# Altium PCB LC BigOne.PcbDoc (part 2 of 3)
Units mm, origin at the board's own origin, x right, y up, seen from the top; angles counter-clockwise.
Board outline 218 x 105 mm, 2 copper layers (Top Layer, Bottom Layer); 239 components, 249 nets, 1148 pads, 92 vias.
Unrouted connection lines stored in the file: 2.
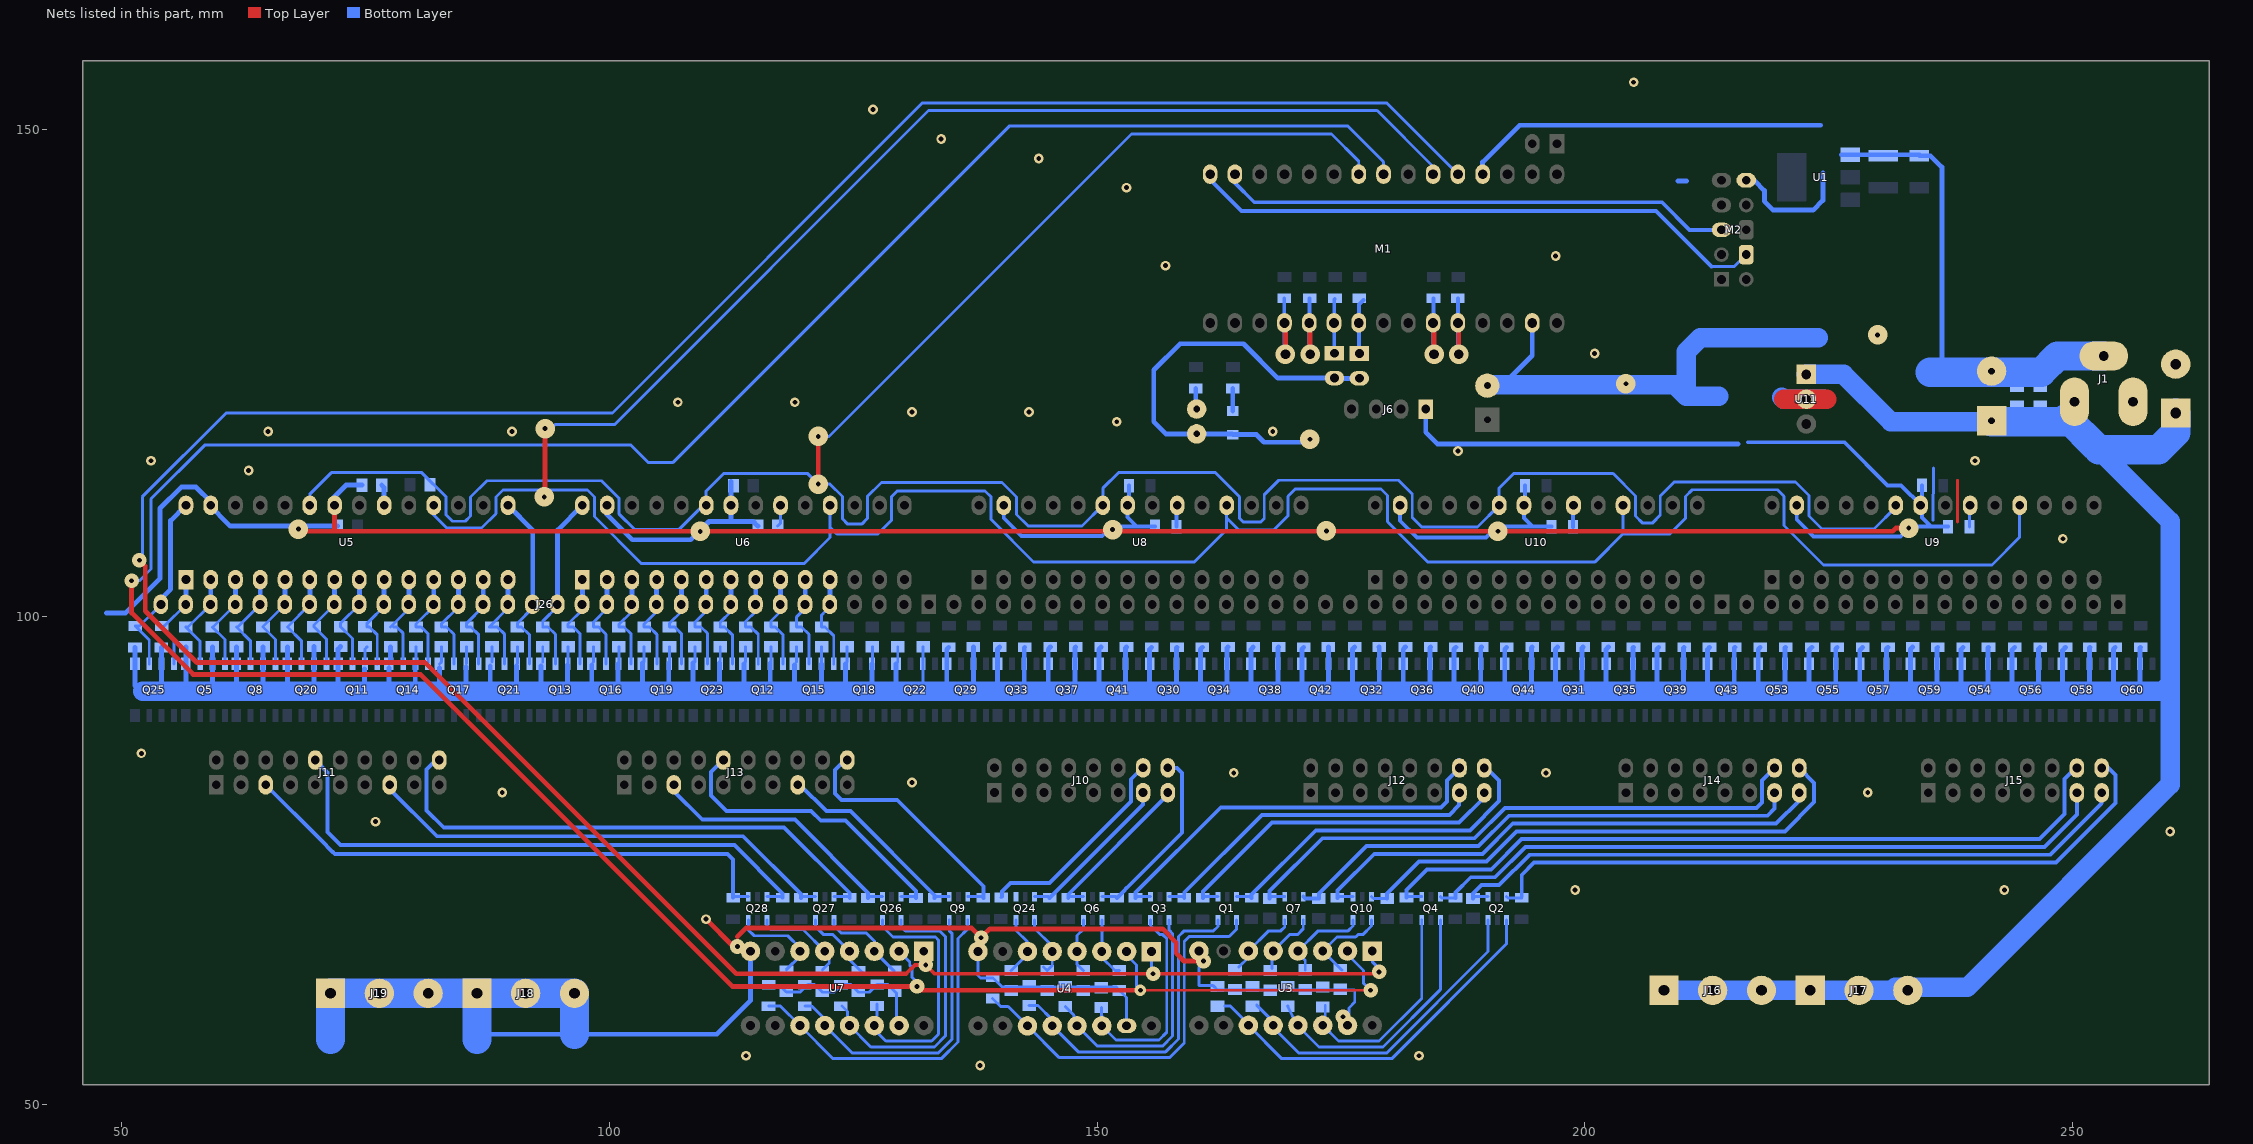
[diagram p2: the nets of this part, all layers, seen from the top]

## Via types
v1: diameter 1, hole 0.5, Top Layer to Bottom Layer, 35 vias
v2: diameter 2, hole 0.5, Top Layer to Bottom Layer, 25 vias
v3: diameter 1.5, hole 0.5, Top Layer to Bottom Layer, 22 vias
v4: diameter 6, hole 3, Top Layer to Bottom Layer, 4 vias
v5: diameter 2, hole 1, Top Layer to Bottom Layer, 4 vias
v6: diameter 1, hole 0.5, Top Layer to Bottom Layer, tented top, 1 vias
v7: diameter 1.2, hole 0.5, Top Layer to Bottom Layer, 1 vias

## Nets (pads, with @x,y where several pads share a name; then routed paths per layer and width w, separated by ;. In a path a pad name is that pad's centre, name@x,y a point inside that pad or via, vN(x,y) a via of type N, cw(c..) or ccw(c..) an arc to the next point about the centre after c; other vN are vias at no path point) (continued)
+12v: C2.1 C12.1 C18.1 J1.VCC J2.1 J16.1 J16.2 J16.3 J17.1 J17.2 J17.3 Q5.1 Q5.3 Q8.1 Q8.3 Q11.1 Q11.3 Q12.1 Q12.3 Q13.1 Q13.3 Q14.1 Q14.3 Q15.1 Q15.3 Q16.1 Q16.3 Q17.1 Q17.3 Q18.1 Q18.3 Q19.1 Q19.3 Q20.1 Q20.3 Q21.1 Q21.3 Q22.1 Q22.3 Q23.1 Q23.3 Q25.1 Q25.3 Q29.1 Q29.3 Q30.1 Q30.3 Q31.1 Q31.3 Q32.1 Q32.3 Q33.1 Q33.3 Q34.1 Q34.3 Q35.1 Q35.3 Q36.1 Q36.3 Q37.1 Q37.3 Q38.1 Q38.3 Q39.1 Q39.3 Q40.1 Q40.3 Q41.1 Q41.3 Q42.1 Q42.3 Q43.1 Q43.3 Q44.1 Q44.3 Q53.1 Q53.3 Q54.1 Q54.3 Q55.1 Q55.3 Q56.1 Q56.3 Q57.1 Q57.3 Q58.1 Q58.3 Q59.1 Q59.3 Q60.1 Q60.3 R8.2 R10.2 R14.2 R17.2 R20.2 R21.2 R22.2 R23.2 R24.2 R25.2 R26.2 R27.2 R28.2 R29.2 R30.2 R31.2 R32.2 R33.2 R34.2 R35.2 R36.2 R37.2 R38.2 R39.2 R40.2 R41.2 R42.2 R43.2 R44.2 R45.2 R73.2 R74.2 R99.2 R100.2 R101.2 R102.2 R103.2 R104.2 R105.2 R106.2 R107.2 R108.2 R109.2 R110.2 R111.2 R112.2 R113.2 R114.2 R115.2 R116.2 R117.2 R118.2 R119.2 R120.2 R121.2 R122.2 R123.2 R124.2 R125.2 R126.2 R127.2 R128.2 R129.2 R130.2 R147.2 R148.2 R149.2 R150.2 R151.2 R152.2 R153.2 R154.2 R155.2 R156.2 R157.2 R158.2 R159.2 R160.2 R161.2 R162.2 U11.1 | length 715.8
  Bottom Layer w0.3: Q11.3@74.915,95.175 74.915,96.699 R23.2@75.15,96.934 ; Q14.1@77.375,95.175 Q14.1@77.55,95.35 ; Q14.3@80.115,95.175 80.15,95.21 R29.2@80.15,96.934 ; Q17.1@82.575,95.175 82.75,95.35 R32.2@82.75,96.934 ; Q17.3@85.35,95.21 R35.2@85.35,96.934 ; Q21.1@87.95,95.35 R39.2@87.95,96.934 ; Q21.3@90.55,95.21 R43.2@90.55,96.934 ; Q13.1@93.15,95.35 R22.2@93.15,96.934 ; Q13.3@95.715,95.175 95.75,95.21 R25.2@95.75,96.934 ; Q16.1@98.35,95.35 R28.2@98.35,96.934 ; Q16.3@100.95,95.21 R31.2@100.95,96.934 ; Q19.1@103.55,95.35 R34.2@103.55,96.934 ; Q19.3@106.15,95.21 R37.2@106.15,96.934 ; Q23.1@108.75,95.35 R41.2@108.75,96.934 ; Q23.3@111.35,95.21 R45.2@111.35,96.934 ; Q12.1@113.95,95.35 R21.2@113.95,96.934 ; Q12.3@116.55,95.21 R24.2@116.55,96.934 ; Q15.1@119.15,95.35 R27.2@119.15,96.934 ; Q15.3@121.75,95.21 R30.2@121.75,96.934 ; Q18.1@124.35,95.35 R33.2@124.35,96.934 ; Q18.3@126.95,95.21 R36.2@126.95,96.934 ; Q22.1@129.55,95.35 R40.2@129.55,96.934 ; 132.1,92.375 132.115,92.39 Q22.3@132.115,95.175 ; Q22.3@132.15,95.21 R44.2@132.15,96.934
  Bottom Layer w0.5: R73.2@51.35,96.85 51.34,96.84 Q25.1@51.34,95.175 51.34,92.96 51.785,92.515 52,92.515 ; R74.2@54.05,96.85 54.05,95.205 Q25.3@54.08,95.175 54.08,92.395 54.1,92.375 ; R8.2@56.55,96.925 56.56,96.915 Q5.1@56.56,95.175 56.56,92.415 56.6,92.375 ; R10.2@59.275,96.925 59.275,92.4 59.3,92.375 ; 61.7,92.375 61.75,92.425 R14.2@61.75,96.925 ; 64.3,92.375 64.475,92.55 Q8.3@64.475,95.175 R17.2@64.475,96.925 ; 66.9,92.375 66.975,92.45 R38.2@66.975,96.925 ; 69.7,92.375 R42.2@69.7,96.95 ; 72.1,92.375 72.175,92.45 Q11.1@72.175,95.175 72.175,96.7 R20.2@72.425,96.95 ; 74.875,91.915 74.875,92.375 Q11.3@74.875,94.675 ; 77.375,92.015 77.375,92.375 Q14.1@77.375,94.775 ; Q14.1@77.55,95.35 R26.2@77.55,96.934 ; 80.075,92.215 80.075,92.375 Q14.3@80.075,94.975 ; 82.575,92.015 82.575,92.375 Q17.1@82.575,94.775 ; 85.275,92.115 85.275,92.375 Q17.3@85.275,94.875 ; 87.775,92.215 87.775,92.375 Q21.1@87.775,94.975 ; 90.475,92.215 90.475,92.375 Q21.3@90.475,94.975 ; 92.975,92.215 92.975,92.375 Q13.1@92.975,94.975 ; 95.675,92.315 95.675,92.375 Q13.3@95.675,95.075 ; 98.175,92.315 98.175,92.375 Q16.1@98.175,95.075 ; 100.875,92.415 Q16.3@100.875,95.175 ; 103.375,92.515 Q19.1@103.375,95.175 Q19.1@103.375,95.275 ; 106.075,92.515 Q19.3@106.075,95.275 ; 108.575,92.515 Q23.1@108.575,95.175 Q23.1@108.575,95.275 ; 111.275,92.515 Q23.3@111.275,95.275 ; 113.775,92.415 Q12.1@113.775,95.175 ; 116.475,92.515 Q12.3@116.475,95.275 ; 118.975,92.315 118.975,92.375 Q15.1@118.975,95.075 ; 121.715,92.515 Q15.3@121.715,95.175 ; 124.175,92.475 Q18.1@124.175,95.175 ; 126.915,92.535 Q18.3@126.915,95.175 ; 129.375,92.375 Q22.1@129.375,95.175 ; 134.6,92.375 134.575,92.4 Q29.1@134.575,95.175 134.575,96.675 R99.2@134.775,96.875 ; 137.2,92.375 137.315,92.49 Q29.3@137.315,95.175 137.315,96.885 R103.2@137.3,96.9 ; 140,92.375 139.775,92.6 Q33.1@139.775,95.175 139.775,96.675 R107.2@140,96.9 ; R111.2@142.575,96.875 142.515,96.815 Q33.3@142.515,95.175 142.515,92.46 142.6,92.375 ; 145,92.375 144.975,92.4 Q37.1@144.975,95.175 144.975,96.675 R115.2@145.2,96.9 ; 147.7,92.375 147.715,92.39 Q37.3@147.715,95.175 147.715,96.815 R119.2@147.8,96.9 ; 150.2,92.375 150.175,92.4 Q41.1@150.175,95.175 150.175,96.675 R123.2@150.4,96.9 ; 152.9,92.375 152.915,92.39 Q41.3@152.915,95.175 152.915,96.815 R127.2@153,96.9 ; 155.5,92.375 155.375,92.5 Q30.1@155.375,95.175 155.375,96.675 R100.2@155.575,96.875 ; R104.2@158.175,96.875 158.115,96.815 Q30.3@158.115,95.175 158.115,92.46 158.2,92.375 ; 160.5,92.375 160.575,92.45 Q34.1@160.575,95.175 160.575,96.675 R108.2@160.775,96.875 ; 163.2,92.375 163.315,92.49 Q34.3@163.315,95.175 163.315,96.815 R112.2@163.4,96.9 ; 165.7,92.375 165.775,92.45 Q38.1@165.775,95.175 165.775,96.675 R116.2@166,96.9 ; 168.6,92.375 168.515,92.46 Q38.3@168.515,95.175 168.515,96.815 R120.2@168.6,96.9 ; 171.1,92.375 170.975,92.5 Q42.1@170.975,95.175 170.975,96.675 R124.2@171.175,96.875 ; 173.7,92.375 173.715,92.39 Q42.3@173.715,95.175 173.715,96.885 R128.2@173.7,96.9 ; 176.2,92.375 176.175,92.4 Q32.1@176.175,95.175 176.175,96.675 R102.2@176.4,96.9 ; R106.2@178.9,96.9 178.915,96.885 Q32.3@178.915,95.175 178.915,92.46 179,92.375 ; 181.4,92.375 181.375,92.4 Q36.1@181.375,95.175 181.375,96.675 R110.2@181.6,96.9 ; 184.1,92.375 184.115,92.39 Q36.3@184.115,95.175 184.115,96.815 R114.2@184.2,96.9 ; 186.6,92.375 186.575,92.4 Q40.1@186.575,95.175 186.575,96.675 R118.2@186.775,96.875 ; 189.3,92.375 189.315,92.39 Q40.3@189.315,95.175 189.315,96.815 R122.2@189.4,96.9 ; 191.7,92.375 191.775,92.45 Q44.1@191.775,95.175 191.775,96.675 R126.2@191.975,96.875 ; 194.5,92.375 194.515,92.39 Q44.3@194.515,95.175 194.515,96.815 R130.2@194.6,96.9 ; 197,92.375 196.975,92.4 Q31.1@196.975,95.175 196.975,96.675 R101.2@197.2,96.9 ; 199.7,92.375 199.715,92.39 Q31.3@199.715,95.175 199.715,96.815 R105.2@199.8,96.9 ; 202.2,92.375 202.175,92.4 Q35.1@202.175,95.175 202.175,96.675 R109.2@202.4,96.9 ; 204.9,92.375 204.915,92.39 Q35.3@204.915,95.175 204.915,96.815 R113.2@204.975,96.875 ; 207.4,92.375 207.375,92.4 Q39.1@207.375,95.175 207.375,96.675 R117.2@207.575,96.875 ; 210.1,92.375 210.115,92.39 Q39.3@210.115,95.175 210.115,96.815 R121.2@210.175,96.875 ; 212.5,92.375 212.575,92.45 Q43.1@212.575,95.175 212.575,96.675 R125.2@212.775,96.875 ; R129.2@215.375,96.875 215.315,96.815 Q43.3@215.315,95.175 215.315,92.46 215.4,92.375 ; 217.9,92.375 217.775,92.5 Q53.1@217.775,95.175 217.775,96.675 R147.2@217.975,96.875 ; 220.5,92.375 220.515,92.39 Q53.3@220.515,95.175 220.515,96.815 R149.2@220.575,96.875 ; 222.8,92.375 222.975,92.55 Q55.1@222.975,95.175 222.975,96.575 R151.2@223.275,96.875 ; 225.7,92.375 225.715,92.39 Q55.3@225.715,95.175 225.715,96.715 R153.2@225.875,96.875 ; 228.1,92.375 228.175,92.45 Q57.1@228.175,95.175 228.175,96.575 R155.2@228.475,96.875 ; 230.9,92.375 230.915,92.39 Q57.3@230.915,95.175 230.915,96.715 R157.2@231.075,96.875 ; 233.4,92.375 233.375,92.4 Q59.1@233.375,95.175 233.375,96.675 R159.2@233.6,96.9 ; 236.1,92.375 236.115,92.39 Q59.3@236.115,95.175 236.115,96.815 R161.2@236.175,96.875 ; 238.6,92.375 238.575,92.4 Q54.1@238.575,95.175 238.575,96.675 R148.2@238.775,96.875 ; R150.2@241.375,96.875 241.315,96.815 Q54.3@241.315,95.175 241.315,92.46 241.4,92.375 ; 243.7,92.375 243.775,92.45 Q56.1@243.775,95.175 243.775,96.575 R152.2@244.075,96.875 ; 246.6,92.375 246.515,92.46 Q56.3@246.515,95.175 246.515,96.715 R154.2@246.675,96.875 ; 248.9,92.375 248.975,92.45 Q58.1@248.975,95.175 248.975,96.575 R156.2@249.275,96.875 ; 251.6,92.375 251.715,92.49 Q58.3@251.715,95.175 251.715,96.815 R158.2@251.775,96.875 ; 254.1,92.375 254.175,92.45 Q60.1@254.175,95.175 254.175,96.675 R160.2@254.375,96.875 ; R162.2@256.975,96.875 256.915,96.815 Q60.3@256.915,95.175 256.915,92.86 257.4,92.375
  Bottom Layer w2: 52.14,92.375 54.1,92.375 56.6,92.375 59.3,92.375 61.7,92.375 64.3,92.375 66.9,92.375 69.7,92.375 72.1,92.375 74.875,92.375 77.375,92.375 80.075,92.375 82.575,92.375 85.275,92.375 87.775,92.375 90.475,92.375 92.975,92.375 95.675,92.375 98.175,92.375 118.975,92.375 129.375,92.375 132.1,92.375 134.6,92.375 137.2,92.375 140,92.375 142.6,92.375 145,92.375 147.7,92.375 150.2,92.375 152.9,92.375 155.5,92.375 158.2,92.375 160.5,92.375 163.2,92.375 165.7,92.375 168.6,92.375 171.1,92.375 173.7,92.375 176.2,92.375 179,92.375 181.4,92.375 184.1,92.375 186.6,92.375 189.3,92.375 191.7,92.375 194.5,92.375 197,92.375 199.7,92.375 202.2,92.375 204.9,92.375 207.4,92.375 210.1,92.375 212.5,92.375 215.4,92.375 217.9,92.375 220.5,92.375 222.8,92.375 225.7,92.375 228.1,92.375 230.9,92.375 233.4,92.375 236.1,92.375 238.6,92.375 241.4,92.375 243.7,92.375 246.6,92.375 248.9,92.375 251.6,92.375 254.1,92.375 257.4,92.375 259.275,92.375 260,93.1 ; J16.1@208.1,61.7 J16.2@213.1,61.7 J16.3@218.1,61.7 J17.1@223.1,61.7 J17.2@228.1,61.7 J17.3@233.1,61.7 ; U11.1@222.702,124.846 226.533,124.846 231.379,120 C12.1@241.7,120 ; J17.3@231.8,62 239.2,62 260,82.8 260,93.1 ; 249,120 J1.VCC@249.3,120.3 ; 252.388,117.413 252.675,117.125 260,109.8 260,93.1
  Bottom Layer w3: C12.1@241.7,120 246.7,120 249,120 ; J1.VCC@249.3,120.3 249.5,120.3 252.388,117.413 ; 252.675,117.125 258.8,117.125 260.575,118.9 J2.1@260.575,120.9
A0: M1.A0 R3.1 | length 8.1
  Top Layer w0.5: v5(169.29,126.925) M1.A0@169.29,130.04
  Bottom Layer w0.4: v5@169.175,127.665 R3.1@169.175,132.65
A1: M1.A1 R4.1 | length 8.1
  Top Layer w0.5: v5(171.83,126.925) M1.A1@171.83,130.04
  Bottom Layer w0.4: v5@171.775,127.645 R4.1@171.775,132.65
A6: M1.A6 R5.1 | length 8.1
  Top Layer w0.5: v5(184.53,126.925) M1.A6@184.53,130.04
  Bottom Layer w0.4: v5@184.475,127.645 R5.1@184.475,132.65
A7: M1.A7 R6.1 | length 8.1
  Top Layer w0.5: v5(187.07,126.925) M1.A7@187.07,130.04
  Bottom Layer w0.4: M1.A7@186.975,130.535 R6.1@186.975,132.65 ; v5@187,127.63 M1.A7@187,130.51
BLANK: M1.D6 R76.2 U5.23 U6.23 U8.23 U9.23 U10.23 | length 289.2
  Top Layer w0.5: v2(121.4,113.6) v2(121.4,118.5)
  Bottom Layer w0.3: U5.23@69.27,111.435 69.27,112.57 71.475,114.775 80.75,114.775 83.25,112.275 83.25,110.45 83.9,109.8 85.2,109.8 85.75,110.35 85.75,112.275 87.425,113.95 99.182,113.95 100.95,112.182 100.95,110.575 102.55,108.975 107.15,108.975 109.61,111.435 U6.23@109.91,111.435 109.91,112.91 111.675,114.675 120.325,114.675 v2(121.4,113.6) 122.6,113.6 123.875,112.325 123.875,110.05 124.425,109.5 125.85,109.5 126.425,110.075 126.425,112.325 127.875,113.775 140.225,113.775 141.725,112.275 141.725,110.5 142.925,109.3 148.44,109.3 U8.23@150.575,111.435 150.575,113.175 152.2,114.8 162.1,114.8 164.6,112.3 164.6,110.1 165,109.7 166.75,109.7 167.125,110.075 167.125,112.525 168.6,114 180.9,114 182.3,112.6 182.3,110.175 183.275,109.2 188.975,109.2 U10.23@191.21,111.435 191.21,113.21 192.7,114.7 202.9,114.7 205.2,112.4 205.2,110.325 205.925,109.6 206.9,109.6 207.725,110.425 207.725,112.4 209.15,113.825 221.6,113.825 222.975,112.45 222.975,110.325 224.3,109 229.65,109 231.875,111.225 U9.23@231.875,111.435 ; v2(121.4,118.5) 122.5,118.5 153.5,149.5 174.025,149.5 176.815,146.71 M1.D6@176.815,145.375
"Bt 1": J15.16 Q2.3 R65.1 | length 72.4
  Bottom Layer w0.3: Q2.3@191.975,71.309 192.1,71.184 R65.1@193.525,71.184
  Bottom Layer w0.4: R65.1@193.525,71.3 193.525,73.525 194.8,74.8 248.3,74.8 254.4,80.9 254.4,83.8 253.7,84.5 J15.16@252.98,84.5
"Bt 2": J15.15 Q2.1 R47.1 | length 71.5
  Bottom Layer w0.3: R47.1@188.525,71.125 188.709,71.309 Q2.1@190.075,71.309
  Bottom Layer w0.4: R47.1@188.525,71.125 188.525,71.625 189.4,72.5 191.2,72.5 194.3,75.6 247.7,75.6 252.98,80.88 J15.15@252.98,81.96
"Bt 3": J15.13 Q4.3 R69.1 | length 71.4
  Bottom Layer w0.3: Q4.3@185.175,71.309 185.3,71.184 R69.1@186.725,71.184
  Bottom Layer w0.4: R69.1@186.725,71.184 186.725,71.725 188.3,73.3 190.8,73.3 193.9,76.4 247.1,76.4 250.44,79.74 J15.13@250.44,81.96
"Bt 4": J15.14 Q4.1 R67.1 | length 78.4
  Bottom Layer w0.3: R67.1@181.7,71.209 181.8,71.309 Q4.1@183.275,71.309
  Bottom Layer w0.4: R67.1@181.7,71.209 181.7,72 183.8,74.1 190.4,74.1 193.5,77.2 246.6,77.2 249.19,79.79 249.19,83.39 250.3,84.5 J15.14@250.44,84.5
"Bt 5": J14.16 Q10.3 R11.1 | length 54.6
  Bottom Layer w0.3: Q10.3@178.125,71.309 178.325,71.109 R11.1@179.725,71.109 ; J14.16@221.98,84.5 J14.16@222.6,84.5
  Bottom Layer w0.4: R11.1@179.725,71.109 179.725,71.625 183,74.9 189.9,74.9 193,78 220.5,78 223.5,81 223.5,82.98 J14.16@221.98,84.5
"Bt 6": J14.15 Q10.1 R9.1 | length 54.4
  Bottom Layer w0.3: R9.1@174.625,71.184 174.75,71.309 Q10.1@176.225,71.309
  Bottom Layer w0.4: R9.1@174.625,71.184 174.625,71.925 178.4,75.7 189.5,75.7 192.6,78.8 219.6,78.8 221.98,81.18 J14.15@221.98,81.96
"Bt 7": J14.13 Q7.3 R15.1 | length 54.1
  Bottom Layer w0.4: Q7.3@171.125,71.309 171.325,71.109 R15.1@172.725,71.109 172.725,71.625 177.6,76.5 189.1,76.5 192.2,79.6 218.7,79.6 219.44,80.34 J14.13@219.44,81.96
"Bt 8": J14.14 Q7.1 R13.1 | length 60.7
  Bottom Layer w0.3: R13.1@167.675,71.125 167.859,71.309 Q7.1@169.225,71.309
  Bottom Layer w0.4: R13.1@167.675,71.125 167.675,71.875 173.1,77.3 188.7,77.3 191.8,80.4 217.6,80.4 218.162,80.962 218.162,83.223 J14.14@219.44,84.5
"Bt 9": J12.16 Q1.3 R48.1 | length 35.4
  Bottom Layer w0.3: Q1.3@164.275,71.309 165.7,71.309 R48.1@165.825,71.184
  Bottom Layer w0.4: R48.1@165.825,71.184 165.825,71.525 172.4,78.1 188.2,78.1 191.2,81.1 191.2,83.2 189.9,84.5 J12.16@189.68,84.5
"Bt 10": J12.15 Q1.1 R46.1 | length 36.4
  Bottom Layer w0.3: R46.1@160.825,71.184 160.95,71.309 Q1.1@162.375,71.309
  Bottom Layer w0.4: R46.1@160.825,71.184 160.825,71.825 167.9,78.9 187.1,78.9 189.63,81.43 J12.15@189.63,82.775
"Bt 11": J12.13 Q3.3 R68.1 | length 36.1
  Bottom Layer w0.3: Q3.3@157.375,71.309 158.8,71.309 R68.1@158.925,71.184
  Bottom Layer w0.4: R68.1@158.925,71.184 158.925,71.725 166.9,79.7 186.1,79.7 187.09,80.69 J12.13@187.09,82.775
"Bt 12": J12.14 Q3.1 R66.1 | length 42
  Bottom Layer w0.3: R66.1@153.925,71.184 154.05,71.309 Q3.1@155.475,71.309
  Bottom Layer w0.4: R66.1@153.925,71.184 153.925,71.725 162.66,80.46 185.26,80.46 185.85,81.05 185.85,83.21 J12.14@187.14,84.5 ; J12.14@187.015,85.315 J12.14@187.09,85.315
"Bt 13": J10.16 Q6.3 R12.1 | length 18.9
  Bottom Layer w0.3: Q6.3@150.475,71.309 151.9,71.309 R12.1@152.025,71.184
  Bottom Layer w0.4: R12.1@152.025,71.184 152.725,71.884 152.725,71.891 153.018,72.184 153.025,72.184 158.7,77.859 158.7,84 158.185,84.515 J10.16@157.24,84.515
"Bt 14": J10.15 Q6.1 R70.1 | length 16.6
  Bottom Layer w0.3: R70.1@147.025,71.184 147.15,71.309 Q6.1@148.575,71.309
  Bottom Layer w0.4: R70.1@147.025,71.184 147.025,71.55 157.24,81.765 J10.15@157.24,81.975
"Bt 15": J10.13 Q24.3 R72.1 | length 16.4
  Bottom Layer w0.3: Q24.3@143.575,71.309 145,71.309 R72.1@145.125,71.184
  Bottom Layer w0.4: R72.1@145.125,71.184 145.825,71.884 145.825,71.891 146.118,72.184 146.125,72.184 154.7,80.759 J10.13@154.7,81.975
"Bt 16": J10.14 Q24.1 R71.1 | length 21.7
  Bottom Layer w0.3: R71.1@140.15,71.209 140.25,71.309 R71.1@140.249,71.31
  Bottom Layer w0.4: R71.1@140.249,71.31 140.245,71.845 141.1,72.7 145.1,72.7 153.45,81.05 153.45,83.35 154.615,84.515 J10.14@154.7,84.515
"Bt 17": J13.20 Q9.3 R79.1 | length 26.1
  Bottom Layer w0.3: Q9.3@136.725,71.309 138.2,71.309 R79.1@138.325,71.184
  Bottom Layer w0.4: J13.20@124.375,85.315 124.115,85.315 123.1,84.3 123.1,81.9 123.8,81.2 129.5,81.2 138.325,72.375 R79.1@138.325,71.184
"Bt 18": J13.15 Q9.1 R78.1 | length 20.5
  Bottom Layer w0.3: R78.1@133.325,71.184 133.45,71.309 Q9.1@134.825,71.309
  Bottom Layer w0.4: J13.15@119.295,82.775 119.525,82.775 122.225,80.075 124.7,80.075 133.325,71.45 R78.1@133.325,71.184
"Bt 19": J13.10 Q26.3 R81.1 | length 31.6
  Bottom Layer w0.3: Q26.3@129.875,71.309 131.291,71.309 R81.1@131.425,71.175
  Bottom Layer w0.4: J13.10@111.675,85.315 111.615,85.315 110.4,84.1 110.4,81.7 112,80.1 120.65,80.1 121.65,79.1 124.2,79.1 131.425,71.875 R81.1@131.425,71.175
"Bt 20": J13.5 Q26.1 R80.1 | length 26.9
  Bottom Layer w0.3: R80.1@126.5,71.175 126.634,71.309 Q26.1@127.975,71.309
  Bottom Layer w0.4: J13.5@106.595,82.775 106.595,82.105 109.5,79.2 119,79.2 126.5,71.7 R80.1@126.5,71.175
"Bt 21": J11.20 Q27.3 R83.1 | length 54.9
  Bottom Layer w0.3: Q27.3@123.025,71.309 124.5,71.309 R83.1@124.625,71.184
  Bottom Layer w0.4: J11.20@82.535,85.315 82.215,85.315 81.245,84.345 81.245,80.155 83,78.4 117.9,78.4 124.625,71.675 R83.1@124.625,71.184
"Bt 22": J11.15 Q27.1 R82.1 | length 49
  Bottom Layer w0.3: R82.1@119.625,71.184 119.75,71.309 Q27.1@121.125,71.309
  Bottom Layer w0.4: J11.15@77.455,82.775 77.455,82.345 82.3,77.5 113.7,77.5 119.625,71.575 R82.1@119.625,71.184
"Bt 23": J11.10 Q28.3 R93.1 | length 59.3
  Bottom Layer w0.3: Q28.3@116.125,71.309 117.641,71.309 R93.1@117.75,71.2
  Bottom Layer w0.4: J11.10@69.835,85.315 71.1,84.05 71.1,77.925 72.425,76.6 112.8,76.6 117.75,71.65 R93.1@117.75,71.2
"Bt 24": J11.5 Q28.1 R90.1 | length 56.6
  Bottom Layer w0.3: R90.1@112.675,71.2 112.784,71.309 Q28.1@114.225,71.309
  Bottom Layer w0.4: J11.5@64.755,82.775 70.4,77.13 70.4,77.11 71.61,75.9 71.63,75.9 71.83,75.7 112.1,75.7 112.675,75.125 R90.1@112.675,71.2
"Button 1": J8.1 M1.A3 R16.1 | length 5.1
  Bottom Layer w0.4: J8.1@176.84,127.61 176.84,132.04 R16.1@177.3,132.5
CLK165: M1.D5 U3.2 U4.2 U7.2 | length 316.7
  Top Layer w0.3: v3(131.525,62.109) v3@131.925,61.709 ; v7(154.425,61.709) v3(178.025,61.709)
  Top Layer w0.5: v3(51,103.7) 51,100.4 57.3,94.1 80.6,94.1 112.591,62.109 v3(131.525,62.109) ; v3@131.925,61.709 v7(154.425,61.709)
  Bottom Layer w0.3: v3(51,103.7) 51.8,103.7 53,104.9 53,112.1 58.5,117.6 102.2,117.6 104,115.8 106.475,115.8 140.975,150.3 175.7,150.3 179.355,146.645 M1.D5@179.355,145.375 ; U7.2@129.685,65.709 130.775,64.619 130.775,64.273 131.025,64.023 131.025,63.009 v3@131.525,62.509 ; v3@131.525,62.009 v3(131.525,62.109) ; U4.2@153.01,65.684 153.01,65.324 154.025,64.309 154.025,62.109 v7(154.425,61.709) ; U3.2@175.66,65.734 175.66,65.374 177.3,63.734 177.3,62.434 v3(178.025,61.709) 178.088,61.646 v3@178.525,61.646
"DBG Sw": J7.1 M1.A2 R7.1 | length 5.8
  Bottom Layer w0.4: J7.1@174.3,126.775 174.3,130.135 174.3,132.55 R7.1@174.35,132.6
GND: C1.2 C2.2 C5.GND C6.GND C7.2 C8.2 C9.2 C10.2 C11.2 C12.2 C18.2 D1.K D2.K J1.GND J2.2 J6.1 J7.2 J8.2 J18.1 J18.2 J18.3 J19.1 J19.2 J19.3 M1.GND M2.GND R49.1 R50.1 R51.1 R52.1 R53.1 R54.1 R55.1 R56.1 R57.1 R58.1 R59.1 R60.1 R61.1 R62.1 R63.1 R64.1 R75.2 R77.2 R84.1 R85.1 R86.1 R87.1 R88.1 R89.1 R91.1 R92.1 R95.2 R96.2 R98.2 U1.1 U3.8 U3.15 U4.8 U4.15 U5.22 U5.27 U6.22 U6.27 U7.8 U7.15 U8.22 U8.27 U9.22 U9.27 U10.22 U10.27 U11.2 | length 762.1
  Top Layer w0.3: 238.2,109.7 238.2,114
  Top Layer w0.5: v2@68.1,108.775 71.81,108.775 ; U5.22@71.81,111.435 71.81,108.775 ; v1(109.9,69) 112.7,66.2 v3(113.1,66.2) ; 113.1,67.2 114,68.1 137.1,68.1 v3(138.1,67.1) 139,68 156.7,68 158.1,66.6 158.1,65.5 158.9,64.7 v3(160.9,64.7) ; v2(233.2,109.1) 231.875,109.1 231.55,108.775 v2(191.075,108.775) 71.81,108.775
  Top Layer w2: 220.406,122.306 U11.2@222.702,122.306 224.806,122.306
  Bottom Layer w0.3: R84.1@116.6,62.2 117.459,62.2 R92.1@118.125,61.534 119.55,61.534 120.325,62.309 121.025,62.309 121.825,61.509 123.025,61.509 123.8,62.284 124.75,62.284 125.525,61.509 126.625,61.509 127.4,62.284 128.55,62.284 129.425,61.409 129.425,58.349 U7.15@129.685,58.089 ; U4.8@137.77,65.684 137.77,63.23 138.025,62.975 139.325,62.975 140.225,62.075 R62.1@146.725,62.075 151.893,62.075 R63.1@152.275,61.693 153.01,60.958 U4.15@153.01,58.064 ; 160.42,64.114 160.42,62.18 161.888,62.18 162.325,61.743 171.325,61.743 176.357,61.743 176.4,61.7 176.4,60.5 175.8,59.9 v3@175.8,59.234 ; U3.15@175.66,58.114 U3.15@175.66,58.799 ; 235.7,109.9 235.737,115.263
  Bottom Layer w0.4: U8.27@140.415,111.435 140.415,110.11 142.25,108.275 150.5,108.275 151.5,109.275 154.05,109.275 ; C10.2@153.25,113.45 153.25,111.57 U8.22@153.115,111.435 153.115,110.21 154.05,109.275 ; R95.2@155.925,109.275 154.05,109.275 ; U10.27@181.05,111.435 181.05,109.85 182.775,108.125 189.875,108.125 191,109.25 194.625,109.25 ; C9.2@193.85,113.45 193.85,111.535 U10.22@193.75,111.435 193.75,110.125 194.625,109.25 ; R98.2@196.575,109.25 194.625,109.25 ; 216.7,117.9 226.6,117.9 231.025,113.475 232.425,113.475 234.55,111.35 234.55,110.175 235.475,109.25 ; U9.27@221.715,111.435 221.715,109.985 223.45,108.25 232.35,108.25 v2(233.2,109.1) ; v2@232.6,109.25 235.475,109.25 ; U9.22@234.55,111.57 C1.2@234.55,113.475 ; R96.2@237.225,109.25 235.475,109.25
  Bottom Layer w0.5: 48.4,100.4 50.4,100.4 53.9,103.9 53.9,111.1 56.1,113.3 57.6,113.3 59.11,111.79 U5.27@59.11,111.435 ; U5.27@58.8,111.625 61.125,109.3 C8.2@72.109,109.3 ; U5.22@71.7,111.325 U5.22@71.81,111.435 ; C8.2@71.81,109.599 U5.22@71.81,111.435 ; R75.2@74.609,113.5 72.975,113.5 71.81,112.335 U5.22@71.81,111.435 ; 85.4,57.2 86.4,57.2 96.4,57.2 111,57.2 114.445,60.645 U7.8@114.445,65.709 ; U6.27@99.75,111.435 99.75,110.475 102.325,107.9 108.325,107.9 110.2,109.775 112.45,109.775 ; C7.2@112.45,113.875 U6.22@112.45,111.435 112.45,109.775 ; R77.2@115.209,109.3 114.734,109.775 112.45,109.775 ; v2@171.8,117.9 167.1,117.9 166.325,118.675 D1.K@163.9,118.675 163.815,118.76 D2.K@160.2,118.76 157.04,118.76 155.8,120 155.8,125.3 158.5,128 165,128 168.525,124.475 J7.2@174.325,124.475 174.35,124.45 J8.2@176.875,124.45 ; J6.1@183.68,121.3 183.68,118.92 184.9,117.7 215.7,117.7 ; M1.GND@189.515,145.375 189.515,146.615 193.3,150.4 224.175,150.4 ; 191.6,123.8 194.595,126.795 M1.GND@194.595,130.135 ; 209.54,144.69 210.41,144.69 ; M2.GND@217.41,144.69 218.4,143.7 218.4,142.6 219.3,141.7 223.4,141.7 224.4,142.7 224.4,145.5 ; U1.1@226.275,147.375 U1.1@227.2,147.375 C5.GND@234.3,147.375 ; C5.GND@234.3,147.275 235.425,147.275 236.6,146.1 236.6,125.08
  Bottom Layer w2: C11.2@190.5,123.8 191.6,123.8 209.2,123.8 210.4,122.6 ; 213.7,122.6 210.4,122.6 ; 220.2,122.5 220.394,122.306 U11.2@222.702,122.306 224.494,122.306 ; 223.9,128.6 211.8,128.6 210.4,127.2 210.4,122.6
  Bottom Layer w3: 71.4,56.7 J19.1@71.4,61.4 J19.2@76.4,61.4 J19.3@81.4,61.4 J18.1@86.4,61.4 ; 86.4,56.7 86.4,57.2 J18.1@86.4,61.4 ; 96.4,57.2 J18.3@96.4,61.4 J18.2@91.4,61.4 J18.1@86.4,61.4 ; 235.4,125.08 236.6,125.08 246.78,125.08 248.45,126.75 J1.GND@253.2,126.75
  other v1: 138,54 114,55 183,55 199,72 243,72 260,78 76,79 89,82 229,82 131,83 164,84 196,84 52,86 249,108 63,115 53,116 240,116 187,117 65,119 90,119 168,119 152,120 143,121 107,122 119,122 201,127 157,136 197,137 153,144 144,147 134,149 127,152 205,154.8
  other v2: 109.3,108.75 173.5,108.8 151.575,108.95 68.1,109 171.8,118.2 204.2,123.9 230,128.9
  other v3: 175.2,59
  other v6: 131,121
GSCLK: M1.D3 U5.18 U6.18 U8.18 U9.18 U10.18 | length 327.1
  Top Layer w0.5: v2(93.3,112.3) 93.4,112.4 v2(93.4,119.3)
  Bottom Layer w0.3: U5.18@81.97,111.435 81.97,110.43 83.3,109.1 86.875,109.1 88.35,110.575 88.35,112.275 89.075,113 97.725,113 98.45,112.275 98.45,110.275 103.275,105.45 119.925,105.45 122.61,108.135 122.61,109.19 ; v2@93.6,118.9 94.4,119.7 100.5,119.7 132.7,151.9 178.7,151.9 184.435,146.165 M1.D3@184.435,145.375 ; U6.18@122.61,111.815 U6.18@122.61,111.435 122.61,109.19 ; U8.18@163.275,111.435 163.275,110.125 ; U10.18@203.91,111.435 203.91,108.51 ; U9.18@244.575,111.435 244.575,108.175 241.725,105.325 224.475,105.325 220.425,109.375 220.425,112.35 219.75,113.025 211,113.025 210.3,112.325 210.3,110.1 208.71,108.51 203.91,108.51 ; 122.61,109.19 123.3,108.5 127.5,108.5 128.925,109.925 128.925,112.325 129.5,112.9 138.5,112.9 139.125,112.275 139.125,109.975 143.475,105.625 159.95,105.625 163.275,108.95 163.275,110.125 ; 163.275,110.125 164.5,108.9 168.1,108.9 169.555,110.355 169.555,112.355 170.3,113.1 179.1,113.1 179.75,112.45 179.75,109.75 183.9,105.6 201,105.6 203.91,108.51
"In 1": Q2.4 R57.2 U3.11 | length 39
  Bottom Layer w0.3: 163.075,60.093 163.641,60.093 U3.11@165.5,58.234 ; U3.11@165.5,58.634 U3.11@165.5,58.234 ; U3.11@165.56,58.174 U3.11@165.5,58.234 ; Q2.4@191.975,68.909 191.975,66.475 180.2,54.7 168.914,54.7 U3.11@165.5,58.114 U3.11@165.5,58.234
"In 2": Q2.6 R49.2 U3.12 | length 33.6
  Bottom Layer w0.3: R49.2@166.355,60.179 168.04,58.494 U3.12@168.04,58.114 168.04,57.894 170.634,55.3 179.7,55.3 190.075,65.675 Q2.6@190.075,68.909
"In 3": Q4.4 R58.2 U3.13 | length 27.3
  Bottom Layer w0.3: R58.2@169.525,60.109 169.537,60.083 U3.13@170.475,58.114 ; U3.13@170.58,58.114 170.58,58.054 172.734,55.9 179.3,55.9 185.175,61.775 Q4.4@185.175,68.909
"In 4": Q4.6 R50.2 U3.14 | length 22.8
  Bottom Layer w0.3: R50.2@173.375,60.159 173.375,58.369 U3.14@173.12,58.114 174.734,56.5 178.9,56.5 183.275,60.875 Q4.6@183.275,68.909
"In 5": Q10.4 R59.2 U3.3 | length 9.4
  Bottom Layer w0.3: R59.2@175.079,63.775 U3.3@173.12,65.734 174.57,67.184 176.5,67.184 176.725,67.409 177.225,67.409 178.125,68.309 Q10.4@178.125,68.909
"In 6": Q10.6 R51.2 U3.4 | length 9.5
  Bottom Layer w0.3: R51.2@171.325,63.809 171.325,64.775 170.58,65.52 U3.4@170.58,65.734 172.655,67.809 175.725,67.809 176.225,68.309 Q10.6@176.225,68.909
"In 7": Q7.4 R60.2 U3.5 | length 6.7
  Bottom Layer w0.3: R60.2@167.9,63.934 U3.5@167.9,65.678 ; U3.5@168.04,65.734 169.715,67.409 170.525,67.409 171.125,68.009 Q7.4@171.125,68.909
"In 8": Q7.6 R52.2 U3.6 | length 7.5
  Bottom Layer w0.3: R52.2@164.508,64.092 165.5,65.084 U3.6@165.5,65.734 167.575,67.809 168.825,67.809 169.225,68.209 Q7.6@169.225,68.909
"In 9": Q1.4 R61.2 U4.11 | length 40
  Bottom Layer w0.3: R61.2@139.275,60.875 140.107,60.043 140.871,60.043 U4.11@142.85,58.064 146.114,54.8 157.416,54.8 158.925,56.309 158.925,66.709 159.425,67.209 163.525,67.209 164.275,67.959 Q1.4@164.275,68.909
"In 10": Q1.6 R53.2 U4.12 | length 33.8
  Bottom Layer w0.3: R53.2@143.025,60.143 143.925,60.143 145.39,58.678 U4.12@145.39,58.064 148.054,55.4 157.016,55.4 158.325,56.709 158.325,67.209 158.925,67.809 161.925,67.809 162.375,68.259 Q1.6@162.375,68.909
"In 11": Q3.4 R62.2 U4.13 | length 25.6
  Bottom Layer w0.3: R62.2@146.725,60.043 147.625,59.143 147.625,58.369 U4.13@147.93,58.064 149.994,56 156.716,56 157.725,57.009 157.725,67.509 157.375,67.859 Q3.4@157.375,68.909
"In 12": Q3.6 R54.2 U4.14 | length 21.9
  Bottom Layer w0.3: R54.2@150.425,59.943 150.425,59.043 150.47,59.088 U4.14@150.47,58.064 151.925,56.609 156.325,56.609 157.125,57.409 157.125,67.009 156.725,67.409 156.425,67.409 155.475,68.359 Q3.6@155.475,68.909
"In 13": Q6.4 R63.2 U4.3 | length 6.2
  Bottom Layer w0.3: Q6.4@150.475,68.909 150.475,65.689 U4.3@150.47,65.684 150.47,65.064 151.809,63.725 R63.2@152.275,63.725
"In 14": Q6.6 R55.2 U4.4 | length 5.7
  Bottom Layer w0.3: R55.2@148.575,63.725 147.93,64.37 U4.4@147.93,65.684 147.93,67.33 148.575,67.975 Q6.6@148.575,68.909
"In 15": Q24.4 R64.2 U4.5 | length 6.7
  Bottom Layer w0.3: Q24.4@143.575,68.909 143.575,68.05 145.39,66.235 U4.5@145.39,65.684 145.39,64.24 R64.2@144.875,63.725 R64.2@144.49,64.11
"In 16": Q24.6 R56.2 U4.6 | length 6.4
  Bottom Layer w0.3: R56.2@141.175,63.725 142.85,65.4 U4.6@142.85,65.684 142.85,66.675 141.675,67.85 Q24.6@141.675,68.909
"In 17": Q9.4 R84.2 U7.11 | length 35.3
  Bottom Layer w0.3: R84.2@116.325,60.109 117.505,60.109 U7.11@119.525,58.089 122.914,54.7 134.016,54.7 135.725,56.409 135.725,57.21 135.72,57.215 135.72,58.913 135.725,58.918 135.725,67.009 136.725,68.009 Q9.4@136.725,68.909
"In 18": Q9.6 R85.2 U7.12 | length 30.4
  Bottom Layer w0.3: R85.2@120.025,60.109 120.725,60.109 122.065,58.769 U7.12@122.065,58.089 124.854,55.3 133.716,55.3 135.125,56.709 135.125,56.961 135.12,56.966 135.12,59.162 135.125,59.167 135.125,67.509 134.825,67.809 Q9.6@134.825,68.909
"In 19": Q26.4 R86.2 U7.13 | length 29.4
  Bottom Layer w0.3: R86.2@123.825,60.109 124.4,59.534 124.4,58.294 U7.13@124.605,58.089 126.785,55.909 133.325,55.909 134.425,57.009 134.425,67.209 133.825,67.809 130.325,67.809 129.875,68.259 Q26.4@129.875,68.909
"In 20": Q26.6 R87.2 U7.14 | length 26.7
  Bottom Layer w0.3: R87.2@127.425,60.309 R87.2@127.425,60.109 127.425,58.369 U7.14@127.145,58.089 127.145,57.689 128.325,56.509 133.025,56.509 133.725,57.209 133.725,66.845 133.411,67.159 129.075,67.159 127.975,68.259 Q26.6@127.975,68.909
"In 21": Q27.4 R88.2 U7.3 | length 9.2
  Bottom Layer w0.3: Q27.4@123.025,68.909 123.025,68.3 123.725,67.6 126.3,67.6 127.145,66.755 U7.3@127.145,65.709 R88.2@129.145,63.709
"In 22": Q27.6 R89.2 U7.4 | length 8.1
  Bottom Layer w0.3: Q27.6@121.125,68.909 121.125,68.225 121.9,67.45 122.864,67.45 U7.4@124.605,65.709 124.605,64.829 R89.2@126.025,63.409
"In 23": Q28.4 R91.2 U7.5 | length 10
  Bottom Layer w0.3: Q28.4@116.125,68.909 116.125,68.325 116.5,67.95 119.824,67.95 U7.5@122.065,65.709 122.525,65.249 122.525,64.509 R91.2@121.825,63.809
"In 24": Q28.6 R92.2 U7.6 | length 9.9
  Bottom Layer w0.3: Q28.6@114.225,68.909 114.225,67.9 114.825,67.3 118.275,67.3 119.525,66.05 U7.6@119.525,65.709 119.525,65.209 R92.2@118.125,63.809
Latch165: M1.D2 U3.1 U4.1 U7.1 | length 314.7
  Top Layer w0.4: v3(51.8,105.8) 52.4,105.2 ; 130.4,63.4 131.309,64.309 v3(132.425,64.309) 133.325,63.409 v3(155.725,63.409) v3@178.9,63.409
  Top Layer w0.5: 52.4,105.2 52.4,100.6 57.7,95.3 81.1,95.3 113,63.4 130.4,63.4
  Bottom Layer w0.3: v3(51.8,105.8) 52.1,106.1 52.1,112.3 60.7,120.9 100.3,120.9 132.1,152.7 179.65,152.7 M1.D2@186.975,145.375 ; v3(155.725,63.409) 155.55,63.584 U4.1@155.55,65.684 U4.1@155.95,65.684 ; U3.1@178.2,65.734 178.2,64.634 178.6,64.234 178.6,63.434 v3@178.7,63.334
  other v3: 178.9,63.6
MISO: M1.D12 M2.MISO | length 59.7
  Bottom Layer w0.3: 212.965,135.935 215.34,135.935 M2.MISO@216.54,137.135
  Bottom Layer w0.4: M1.D12@161.575,145.375 161.575,144.825 164.8,141.6 207.3,141.6 212.965,135.935
MOSI: M1.D11 M2.MOSI | length 52.8
  Bottom Layer w0.254: M2.MOSI@213.8,139.675 M2.MOSI@214,139.675
  Bottom Layer w0.4: M1.D11@164.115,145.375 164.115,144.485 166.1,142.5 207.9,142.5 210.725,139.675 M2.MOSI@213.8,139.675
NetD1_A: D1.A R1.2 | length 2.3
  Bottom Layer w0.5: D1.A@163.9,121.1 R1.2@163.9,123.4
NetD2_A: D2.A R2.2 | length 2.2
  Bottom Layer w0.5: D2.A@159.9,121.3 160.1,121.5 R2.2@160.1,123.4
NetR75_1: R75.1 U5.20 | length 2.2
  Bottom Layer w0.5: R75.1@76.641,113.5 76.89,113.251 U5.20@76.89,111.435
NetR77_1: R77.1 U6.20 | length 2.6
  Bottom Layer w0.3: R77.1@117.241,109.3 117.53,109.589 U6.20@117.53,111.435 U6.20@117.759,111.206
NetR95_1: R95.1 U8.20 | length 2.2
  Bottom Layer w0.4: R95.1@158.125,109.25 158.125,111.365 U8.20@158.195,111.435
NetR96_1: R96.1 U9.20 | length 2.2
  Bottom Layer w0.3: R96.1@239.425,109.225 239.425,111.365 U9.20@239.495,111.435
NetR98_1: R98.1 U10.20 | length 2.2
  Bottom Layer w0.4: R98.1@198.775,109.225 198.775,111.38 U10.20@198.83,111.435
"OutL 1": J26.32 Q25.2 R73.1 U5.28 | length 19.3
  Bottom Layer w0.3: Q25.2@52.81,95.175 52.81,97.615 R73.1@51.375,99.05 51.805,99.05 J26.32@54.03,101.275
  Bottom Layer w0.5: J26.32@54.03,101.275 54.03,101.855 55,102.825 55,109.865 U5.28@56.57,111.435
"OutL 2": J26.31 Q25.4 R74.1 U5.1 | length 10.4
  Bottom Layer w0.3: Q25.4@55.35,95.175 55.35,97.775 R74.1@54.075,99.05 54.345,99.05 J26.31@56.57,101.275
  Bottom Layer w0.5: J26.31@56.57,101.275 U5.1@56.57,103.815
"OutL 3": J26.30 Q5.2 R8.1 U5.2 | length 10.5
  Bottom Layer w0.3: Q5.2@58.03,95.175 58.03,97.477 R8.1@56.55,98.957 56.792,98.957 J26.30@59.11,101.275
  Bottom Layer w0.5: J26.30@59.11,101.275 U5.2@59.11,103.815
"OutL 4": J26.29 Q5.4 R10.1 U5.3 | length 10.2
  Bottom Layer w0.3: Q5.4@60.57,95.175 60.57,97.662 R10.1@59.275,98.957 59.332,98.957 J26.29@61.65,101.275
  Bottom Layer w0.5: J26.29@61.65,101.275 U5.3@61.65,103.815
"OutL 5": J26.28 Q8.2 R14.1 U5.4 | length 10.3
  Bottom Layer w0.3: Q8.2@63.205,95.175 63.205,97.502 R14.1@61.75,98.957 61.872,98.957 J26.28@64.19,101.275
  Bottom Layer w0.5: J26.28@64.19,101.275 U5.4@64.19,103.815
"OutL 6": J26.27 Q8.4 R17.1 U5.5 | length 10.1
  Bottom Layer w0.3: Q8.4@65.745,95.175 65.745,97.687 R17.1@64.475,98.957 64.475,99.02 J26.27@66.73,101.275
  Bottom Layer w0.5: J26.27@66.73,101.275 U5.5@66.73,103.815
"OutL 7": J26.26 Q20.2 R38.1 U5.6 | length 10.2
  Bottom Layer w0.3: Q20.2@68.435,95.175 68.435,97.497 R38.1@66.975,98.957 69.27,101.252 J26.26@69.27,101.275
  Bottom Layer w0.5: J26.26@69.27,101.275 U5.6@69.27,103.815
"OutL 8": J26.25 Q20.4 R42.1 U5.7 | length 10
  Bottom Layer w0.3: Q20.4@70.975,95.175 70.975,97.707 R42.1@69.7,98.982 69.7,99.165 J26.25@71.81,101.275
  Bottom Layer w0.5: J26.25@71.81,101.275 U5.7@71.81,103.815
"OutL 9": J26.24 Q11.2 R20.1 U5.8 | length 9.9
  Bottom Layer w0.3: Q11.2@73.645,95.175 73.645,97.762 R20.1@72.425,98.982 72.425,99.35 J26.24@74.35,101.275
  Bottom Layer w0.5: J26.24@74.35,101.275 U5.8@74.35,103.815
"OutL 10": J26.23 Q11.4 R23.1 U5.9 | length 9.8
  Bottom Layer w0.3: R23.1@75.15,98.966 75.15,99.35 J26.23@77.075,101.275 ; R23.1@75.306,98.966 75.384,98.966 76.185,98.165 Q11.4@76.185,95.175
  Bottom Layer w0.5: J26.23@76.89,101.275 U5.9@76.89,103.815
"OutL 11": J26.22 Q14.2 R26.1 U5.10 | length 10.2
  Bottom Layer w0.3: R26.1@77.55,98.966 J26.22@79.859,101.275 ; R26.1@77.846,98.966 78.184,98.966 78.845,98.305 Q14.2@78.845,95.175
  Bottom Layer w0.5: J26.22@79.43,101.275 U5.10@79.43,103.815
"OutL 12": J26.21 Q14.4 R29.1 U5.11 | length 10.8
  Bottom Layer w0.3: R29.1@80.15,98.966 80.15,99.25 82.175,101.275 J26.21@82.475,101.275 ; R29.1@80.166,98.966 80.684,98.966 81.385,98.265 Q14.4@81.385,95.175 ; J26.21@81.75,101.275 J26.21@81.97,101.275
  Bottom Layer w0.5: J26.21@81.97,101.275 U5.11@81.97,103.815
"OutL 13": J26.20 Q17.2 R32.1 U5.12 | length 10
  Bottom Layer w0.3: R32.1@82.75,98.966 82.75,99.25 84.51,101.01 J26.20@84.51,101.275 ; R32.1@82.926,98.966 83.284,98.966 84.045,98.205 Q17.2@84.045,95.175
  Bottom Layer w0.5: J26.20@84.51,101.275 U5.12@84.51,103.815
"OutL 14": J26.19 Q17.4 R35.1 U5.13 | length 10.2
  Bottom Layer w0.3: Q17.4@86.585,95.175 86.585,98.165 85.784,98.966 R35.1@85.35,98.966 85.35,99.35 87.05,101.05 87.05,101.275 J26.19@86.934,101.275
  Bottom Layer w0.5: J26.19@87.05,101.275 U5.13@87.05,103.815
"OutL 15": J26.18 Q21.2 R39.1 U5.14 | length 10.6
  Bottom Layer w0.3: Q21.2@89.245,95.175 89.245,98.205 88.484,98.966 R39.1@87.95,98.966 87.666,98.966 89.59,100.89 J26.18@89.59,101.275
  Bottom Layer w0.5: J26.18@89.59,101.275 U5.14@89.59,103.815
"OutL 16": J26.17 Q21.4 R43.1 U5.15 | length 18.7
  Bottom Layer w0.3: Q21.4@91.785,95.175 91.785,98.165 90.984,98.966 R43.1@90.55,98.966 90.55,99.35 92.13,100.93 J26.17@92.13,101.275
  Bottom Layer w0.5: U5.15@89.59,111.435 92.13,108.895 J26.17@92.13,101.275
"OutL 17": J26.16 Q13.2 R22.1 U6.28 | length 18.8
  Bottom Layer w0.3: Q13.2@94.445,95.175 94.445,98.205 93.684,98.966 R22.1@93.15,98.966 93.15,99.55 94.67,101.07 J26.16@94.67,101.275
  Bottom Layer w0.5: J26.16@94.67,101.275 94.67,108.895 U6.28@97.21,111.435
"OutL 18": J26.15 Q13.4 R25.1 U6.1 | length 10.1
  Bottom Layer w0.3: Q13.4@96.985,95.175 96.985,98.265 96.284,98.966 R25.1@95.75,98.966 95.75,99.25 97.21,100.71 J26.15@97.21,101.275
  Bottom Layer w0.5: J26.15@97.21,101.275 U6.1@97.21,103.815
"OutL 19": J26.14 Q16.2 R28.1 U6.2 | length 10.1
  Bottom Layer w0.3: Q16.2@99.645,95.175 99.645,98.205 98.884,98.966 R28.1@98.35,98.966 98.35,99.45 99.75,100.85 J26.14@99.75,101.275
  Bottom Layer w0.5: J26.14@99.75,101.275 U6.2@99.75,103.815
"OutL 20": J26.13 Q16.4 R31.1 U6.3 | length 10
  Bottom Layer w0.3: Q16.4@102.185,95.175 102.185,98.265 101.484,98.966 R31.1@100.95,98.966 100.95,99.21 102.29,100.55 J26.13@102.29,101.275
  Bottom Layer w0.5: J26.13@102.29,101.275 U6.3@102.29,103.815
"OutL 21": J26.12 Q19.2 R34.1 U6.4 | length 10
  Bottom Layer w0.3: J26.12@104.83,101.275 104.83,100.55 103.55,99.27 R34.1@103.55,98.966 104.084,98.966 104.845,98.205 Q19.2@104.845,95.175
  Bottom Layer w0.5: J26.12@104.83,101.275 U6.4@104.83,103.815
"OutL 22": J26.11 Q19.4 R37.1 U6.5 | length 10
  Bottom Layer w0.3: J26.11@107.37,101.4 107.37,100.55 106.15,99.33 R37.1@106.15,98.966 106.684,98.966 107.385,98.265 Q19.4@107.385,95.175
  Bottom Layer w0.5: J26.11@107.37,101.4 U6.5@107.37,103.815
"OutL 23": J26.10 Q23.2 R41.1 U6.6 | length 10
  Bottom Layer w0.3: J26.10@109.91,101.275 109.91,100.61 108.75,99.45 R41.1@108.75,98.966 109.384,98.966 110.045,98.305 Q23.2@110.045,95.175
  Bottom Layer w0.5: J26.10@109.91,101.275 U6.6@109.91,103.815
"OutL 24": J26.9 Q23.4 R45.1 U6.7 | length 9.9
  Bottom Layer w0.3: J26.9@112.45,101.275 112.45,100.55 111.35,99.45 R45.1@111.35,98.966 111.784,98.966 112.585,98.165 Q23.4@112.585,95.175
  Bottom Layer w0.5: J26.9@112.45,101.275 U6.7@112.45,103.815
"OutL 25": J26.8 Q12.2 R21.1 U6.8 | length 9.9
  Bottom Layer w0.3: J26.8@114.99,101.275 114.99,100.55 113.95,99.51 R21.1@113.95,98.966 114.484,98.966 115.245,98.205 Q12.2@115.245,95.175
  Bottom Layer w0.5: J26.8@114.99,101.275 U6.8@114.99,103.815
"OutL 26": J26.7 Q12.4 R24.1 U6.9 | length 9.8
  Bottom Layer w0.3: J26.7@117.53,101.275 117.53,100.55 116.55,99.57 R24.1@116.55,98.966 116.984,98.966 117.785,98.165 Q12.4@117.785,95.175
  Bottom Layer w0.5: J26.7@117.53,101.275 U6.9@117.53,103.815
"OutL 27": J26.6 Q15.2 R27.1 U6.10 | length 10
  Bottom Layer w0.3: J26.6@120.07,101.275 120.07,100.611 119.811,100.611 119.15,99.95 R27.1@119.15,98.966 119.684,98.966 120.445,98.205 Q15.2@120.445,95.175
  Bottom Layer w0.5: J26.6@120.07,101.275 U6.10@120.07,103.815
"OutL 28": J26.5 Q15.4 R30.1 U6.11 | length 10
  Bottom Layer w0.3: J26.5@122.61,101.275 122.61,100.551 122.101,100.551 121.75,100.2 R30.1@121.75,98.966 122.084,98.966 122.985,98.065 Q15.4@122.985,95.175
  Bottom Layer w0.5: J26.5@122.61,101.275 U6.11@122.61,103.815